# Altium PCB Netscale48HD_Sensorbar_Master.PcbDoc (part 3 of 5)
Units mil, origin at the board's own origin, x right, y up, seen from the top; angles counter-clockwise.
Board outline 18271.78 x 661.42 mil, 6 copper layers (Top Layer, PWR_Layer, Top_Signal_Layer, Bottom_Signal_Layer, GND_Layer, Bottom Layer), stack 30.644 mil thick; 300 components, 206 nets, 1127 pads, 560 vias.
Unrouted connection lines stored in the file: 11.
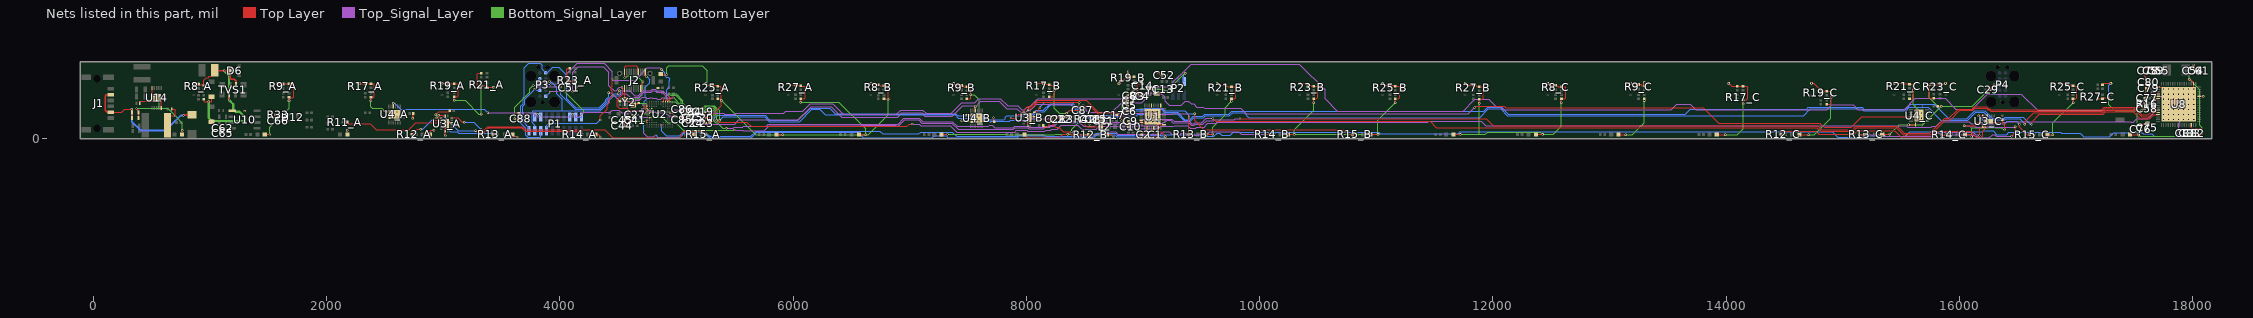
[diagram p7: the nets of this part, all layers, seen from the top]

## Via types
v1: diameter 19.68, hole 11.81, Top Layer to Bottom Layer, tented both sides, 265 vias
v2: diameter 21.65, hole 11.81, Top Layer to Bottom Layer, tented both sides, 108 vias
v3: diameter 9.84, hole 3.94, Top Layer to Bottom Layer, tented both sides, 103 vias
v4: diameter 19.68, hole 7.87, Top Layer to Bottom Layer, tented both sides, 51 vias
v5: diameter 23.62, hole 11.81, Top Layer to Bottom Layer, tented both sides, 24 vias
v6: diameter 21.65, hole 11.81, Top Layer to Bottom Layer, tented bottom, 9 vias

## Nets (pads, with @x,y where several pads share a name; then routed paths per layer and width w, separated by ;. In a path a pad name is that pad's centre, name@x,y a point inside that pad or via, vN(x,y) a via of type N, cw(c..) or ccw(c..) an arc to the next point about the centre after c; other vN are vias at no path point) (continued)
GND: C1.1 C2.1 C3.1 C4.1 C5.1 C6.1 C7.1 C8.1 C9.1 C10.1 C13.1 C14.1 C17.1 C18.1 C19.1 C20.1 C21.1 C22.1 C23.1 C24.1 C25.1 C26.1 C27.1 C28_A.1 C28_B.1 C28_C.1 C29.1 C30_A.1 C30_B.1 C30_C.1 C33_A.1 C33_B.1 C33_C.1 C34_A.1 C34_B.1 C34_C.1 C35_A.1 C35_B.1 C35_C.1 C36_A.1 C36_B.1 C36_C.1 C38_A.1 C38_B.1 C38_C.1 C40_A.1 C40_B.1 C40_C.1 C41.1 C42_A.1 C42_B.1 C42_C.1 C43_A.1 C43_B.1 C43_C.1 C44.1 C45.1 C47.2 C48.2 C49_A.1 C49_B.1 C49_C.1 C50_A.1 C50_B.1 C50_C.1 C51.1 C52.1 C54.1 C55.1 C56_A.1 C56_B.1 C56_C.1 C57_A.1 C57_B.1 C57_C.1 C58.1 C59.1 C61.1 C62.2 C63_A.1 C63_B.1 C63_C.1 C64_A.1 C64_B.1 C64_C.1 C65.1 C66.2 C70_A.1 C70_B.1 C70_C.1 C71_A.1 C71_B.1 C71_C.1 C72.1 C73.2 C75.1 C76.1 C77.1 C78.1 C79.1 C80.1 C81.1 C82.1 C83.1 C84.1 C85.1 C86.1 C87.1 C88.1 D4.1 D5.1 D6.3 D7.2 J2.1 J2.2 J2.14 J2.15 L7.2 L8.2 LED1_A.1 LED1_B.1 LED1_C.1 LED2_A.1 LED2_B.1 LED2_C.1 LED3_A.1 LED3_B.1 LED3_C.1 LED4_A.1 LED4_B.1 LED4_C.1 LED5_A.1 LED5_B.1 LED5_C.1 LED6_A.1 LED6_B.1 LED6_C.1 LED7_A.1 LED7_B.1 LED7_C.1 LED8_A.1 LED8_B.1 LED8_C.1 LED9.1 P1.3 P1.5 P1.15 P1.17 P1.19 P2.5 P3.3 P4.3 R3.2 R5.2 R8_A.1 R8_B.1 R8_C.1 R9_A.1 R9_B.1 R9_C.1 R17_A.1 R17_B.1 R17_C.1 R19_A.1 R19_B.1 R19_C.1 R21_A.1 R21_B.1 R21_C.1 R23_A.1 R23_B.1 R23_C.1 R25_A.1 R25_B.1 R25_C.1 R27_A.1 R27_B.1 R27_C.1 R33.1 R36.2 TVS1.2 TVS1.6 U1.6 U1.7 U1.10 U1.15 U1.17 U1.25 U1.29 U2.D3 U2.E3 U2.F2 U2.F11 U2.F12 U2.J1 U2.K1 U3_A.8 U3_A.13 U3_A.17 U3_B.8 U3_B.13 U3_B.17 U3_C.8 U3_C.13 U3_C.17 U4_A.8 U4_A.17 U4_B.8 U4_B.17 U4_C.8 U4_C.17 U5_A.2 U5_B.2 U5_C.2 U6_A.2 U6_B.2 U6_C.2 U7_A.2 U7_B.2 U7_C.2 U8.2 U8.17 U8.46 U8.60 U8.65 U9_A.2 U9_B.2 U9_C.2 U10.5 U11_A.2 U11_B.2 U11_C.2 U12.3 U13_A.2 U13_B.2 U13_C.2 U14.5 U14.10 U14.11 U15_A.2 U15_B.2 U15_C.2 U17_A.2 U17_B.2 U17_C.2 Y1.2 Y1.4 Y2.2 Y2.4 | length 35165.2
  Top Layer w5.98: U5_A.2@866.89,473.06 R8_A.1@899.08,473.06 ; R8_A.1@908.36,463.78 C34_A.1@941.86,463.78
  Top Layer w6: C33_A.1@947.17,340.19 947.17,325.66 953.34,319.49 v1(990.53,319.49) 1010.37,319.49 1015.14,324.26 D4.1@1015.14,361.81 ; C34_A.1@948.35,457.28 948.35,503.31 968.54,523.49 985.09,523.49 996.71,535.12 1011.67,535.12 1043.17,566.61 C73.2@1043.17,588.27 ; LED2_A.1@1471.89,38 v1(1515,38) ; R33.1@1557.44,204.8 1566.85,214.22 R33.1@1566.85,214.42 ; C66.2@1564.74,155.49 C66.2@1566.25,157 ; U6_A.2@1578.38,480.24 1588.31,470.3 R9_A.1@1628.74,470.3 1634.71,464.32 1634.71,467.41 1637.59,470.3 C38_A.1@1677.36,470.3 ; v2(1678.74,326.72) 1678.74,353.96 1712.57,353.96 1720.64,362.03 1720.64,463.05 1712.02,471.67 C38_A.1@1678.74,471.67 ; LED3_A.1@2178.76,37.61 v1(2178.76,72.55) ; U7_A.2@2281.19,476.26 2284.95,472.5 R17_A.1@2331.35,472.5 ; R17_A.1@2335.29,472.34 2336.47,473.52 C35_A.1@2381.35,473.52 2405.82,473.52 2410.86,468.49 2410.86,360.77 2405.98,355.89 C36_A.1@2381.35,355.89 v2(2381.35,326.72) ; LED4_A.1@2887.66,37.61 2887.66,63.08 2899.58,75 v2(2921.61,75) ; v2(2935.61,207) 2960.94,232.33 3050,232.33 C30_A.1@3057.63,239.96 ; U9_A.2@2990.79,475.65 R19_A.1@3038.03,475.65 ; v1(3018.98,28) 3019.3,28.33 U3_A.8@3019.3,64.63 ; U3_A.8@3019.63,64.96 3019.63,120.08 U3_A.17@3029.47,129.92 3039.32,139.76 U3_A.13@3074.75,139.76 ; R19_A.1@3038.64,476.26 R19_A.1@3039.37,475.53 ; R19_A.1@3039.37,475.23 3065.63,475.23 3070.63,470.23 C43_A.1@3094.37,470.23 ; v2(3094.37,330.63) C42_A.1@3094.37,361.37 ; C42_A.1@3094.98,360.77 3119.94,360.77 3129.76,370.59 3129.76,462.52 3119.94,472.34 C43_A.1@3096.49,472.34 ; C49_A.1@3325.95,563.81 3299.61,563.81 3292.63,556.83 3292.63,465.59 3303.26,454.96 C50_A.1@3325.95,454.96 ; v1(3327.22,426.38) 3327.22,453.68 C50_A.1@3325.95,454.96 ; R21_A.1@3375.95,442.2 3368.07,442.2 3355.32,454.96 C50_A.1@3325.95,454.96 ; R21_A.1@3376.17,441.98 3424.58,441.98 3424.81,442.2 U11_A.2@3425.03,441.98 ; v1(4048.68,455.03) 4080.92,455.03 C51.1@4081.94,456.06 C57_A.1@4081.94,495.15 ; C56_A.1@4084.94,604.01 4068.89,604.01 4061.23,596.34 4061.23,503.11 4069.18,495.15 C57_A.1@4081.94,495.15 ; R23_A.1@4125.94,482.71 4110.15,482.71 4097.71,495.15 C57_A.1@4081.94,495.15 ; R23_A.1@4128.94,482.71 4128.94,458.69 4136.28,451.36 U13_A.2@4136.28,443.76 ; LED6_A.1@4305.07,37.4 4331.79,37.4 4347,22.19 v1(4347,16) ; C48.2@4513.64,322.84 v2@4531.89,341.08 ; v2@4532.79,341.08 Y2.4@4560.88,341.08 4555.12,346.85 J2.1@4555.12,431.1 ; v1@4555.86,526.74 4555.86,572.09 J2.2@4555.12,572.83 4555.12,614.5 4566.73,626.11 4655.86,626.11 4670.32,611.66 4670.32,575.74 J2.14@4673.23,572.83 ; Y2.4@4564.82,341.08 4587.41,318.49 4594.5,318.49 4600.5,312.49 ; 4601.29,312.49 4618.61,295.17 4633.08,295.17 4638.36,300.44 4669.01,300.44 4672.63,304.06 C47.2@4679.87,304.06 ; J2.15@4692.91,431.1 4692.91,461.41 4713.55,482.05 v1(4713.55,488.88) ; v3@4758.68,229.48 4768.23,219.92 U2.F2@4768.23,219.69 ; v3(4786.33,248.03) 4787.92,248.03 U2.D3@4787.92,259.06 ; LED9.1@4866,555.12 4869.94,551.18 v1(4916.65,551.18) ; C86.1@5048.55,233.86 C85.1@5048.55,184.25 5048.55,182.28 5090.04,140.79 v1@5090.04,134.62 ; LED7_A.1@5146.63,37.4 5164.82,19.2 v1(5164.82,19.14) ; v1@5285.05,159.49 5285.05,181.77 5385.54,282.26 v2(5385.54,329.92) 5385.54,444.21 5377.15,452.6 C63_A.1@5353.8,452.6 5347.97,458.43 R25_A.1@5308.8,458.43 ; C64_A.1@5353.8,341.82 5355.62,343.63 5383.72,343.63 ; LED8_A.1@5864.82,37.22 5867.39,34.65 v2(5910.74,34.65) ; R27_A.1@6025.46,462.84 6033.33,454.98 6062.77,454.98 6066.51,458.72 C71_A.1@6066.51,453.72 6071.25,448.98 6099.36,448.98 6102.88,445.47 6102.88,353.13 6094.6,344.86 C70_A.1@6066.51,344.86 v2(6066.51,315.09) ; U5_B.2@6678.01,475.48 6698.15,475.48 6710.48,463.16 R8_B.1@6730.16,463.16 6738.04,463.16 6745.48,455.72 C33_B.1@6780.16,455.72 6808.32,455.72 6814.06,449.98 v2(6814.06,340.3) C34_B.1@6781.72,340.3 ; LED2_B.1@7282.33,37.4 7284.3,39.37 v1(7324.32,39.37) ; U6_B.2@7376.11,474.52 7392.35,458.28 R9_B.1@7444.74,458.28 7452.62,458.28 7463.13,447.77 C38_B.1@7489.74,447.77 7493.36,451.39 7510.53,451.39 7523.48,438.44 v2(7523.48,376.61) 7523.48,348.63 7516.84,341.98 C40_B.1@7489.74,341.98 C40_B.1@7497.37,349.61 ; U4_B.8@7494.94,206.18 7543.17,206.18 U4_B.17@7551.04,198.31 U4_B.17@7572.69,176.65 ; U3_B.8@8013.88,115.08 8013.88,170.2 U3_B.17@8023.72,180.04 8033.56,189.88 U3_B.13@8068.99,189.88 8070.51,191.4 v2@8090.29,191.4 ; U7_B.2@8084.82,474.48 8146.67,474.48 R17_B.1@8146.91,474.72 8167.72,474.72 8172.53,469.9 8189.28,469.9 C36_B.1@8196.91,462.27 8197.88,461.3 8218.53,461.3 8237.77,442.06 v2(8237.77,415) 8237.77,372.36 8226.9,361.49 C35_B.1@8196.91,361.49 ; C30_B.1@8145.86,114 8145.86,112.82 8153.49,105.19 8154.67,105.19 8157.5,102.36 8180.84,102.36 8195.05,116.57 8195.05,162.67 8205.37,172.99 8205.37,195.48 8213.56,203.66 8233.86,203.66 8253.27,184.25 8253.27,181.5 8339.49,181.5 R3.2@8345.4,187.4 8346.6,188.6 v1(8346.6,219.41) 8370.89,243.7 C87.1@8465.47,243.7 ; v1(8540.4,124.92) 8544.46,128.98 8544.46,145.15 8551.95,152.64 C18.1@8552.75,151.84 ; C18.1@8553.27,151.32 C18.1@8553.27,151.91 ; LED4_B.1@8699.33,37.4 8722.38,37.4 8743.64,16.14 v1(8747.35,16.14) ; C17.1@8772.96,203.66 8807.67,203.66 8815.85,195.48 v2(8815.85,154.33) 8815.85,151.61 8835.43,132.04 8854.85,132.04 C9.1@8871.63,148.82 ; 8805.56,474.21 8805.56,477.16 R19_B.1@8871.63,543.23 8884.07,530.79 C42_B.1@8921.63,530.79 ; v1(8840.26,342.13) 8842.88,339.51 8842.88,330.29 8846.39,326.77 C7.1@8867.73,326.77 ; C10.1@8871.63,105 8876.18,109.55 C9.1@8876.18,150 ; C6.1@8871.63,240 C8.1@8871.63,370.9 ; R19_B.1@8872.05,543.64 v1(8872.05,575.55) ; C43_B.1@8921.63,425 v1(8950.65,425) ; C3.1@8947.23,389.45 8950.65,392.87 v1(8950.65,425) ; C3.1@8953.56,386.93 8956.08,389.45 8958.6,386.93 C4.1@8998.56,386.93 ; U1.6@8985.1,159.45 U1.7@8985.1,139.76 U1.10@9033.32,139.76 ; 8986.63,25 8986.63,16.41 8991.23,11.81 9122.72,11.81 9126.24,15.33 C1.1@9126.24,34.89 ; C2.1@8986.87,35.43 9014.43,62.99 9026.53,62.99 9033.32,69.79 U1.10@9033.32,91.54 U1.10@9033.32,139.76 ; C14.1@8997.79,473.03 8971.03,473.03 8969.09,471.1 8956.48,471.1 8950.65,465.27 v1(8950.65,425) ; U1.10@9039.21,141.73 9035.29,141.73 U1.10@9033.32,139.76 ; U1.10@9039.21,145.65 9074.66,181.1 9082.52,181.1 U1.10@9082.52,188.96 ; U1.29@9072.69,286.42 9072.69,242.13 9074.66,244.09 U1.10@9082.52,244.09 ; v6(9082.54,188.98) 9151.43,257.87 U1.25@9151.43,286.42 ; Y1.4@9117.03,387.41 9157.9,387.41 C13.1@9174.03,403.54 ; U1.10@9121.89,137.8 9130.41,137.8 U1.10@9131.75,136.45 ; v2(9125.55,572.18) 9149,548.73 9159.8,548.73 C52.1@9169.15,539.37 ; U1.15@9131.75,91.54 U1.10@9131.75,136.45 ; C13.1@9172.6,404.13 9173.44,404.13 C13.1@9174.03,403.54 ; U1.17@9179.98,120.08 9148.12,120.08 U1.10@9131.75,136.45 ; v1(9198.92,403.54) C13.1@9174.03,403.54 ; U11_B.2@9636.27,474.6 9651.58,459.29 R21_B.1@9708.55,459.29 9712.49,459.29 9727.18,444.6 C49_B.1@9758.55,444.6 9760.25,446.29 9779.37,446.29 9779.58,446.08 9784.36,446.08 9794.85,435.59 9794.85,351 9786.52,342.67 C50_B.1@9758.55,342.67 9758.37,342.49 v2(9758.37,320.87) ; LED6_B.1@10257.75,37.4 v2(10295.89,37.4) ; U13_B.2@10344.63,475.4 10409.48,475.4 10423.33,461.55 10433.28,461.55 10444.11,450.73 C56_B.1@10463.37,450.73 10465.3,448.8 10490.09,448.8 10498.79,440.1 10498.79,353.64 10486.76,341.61 10464.77,341.61 C57_B.1@10463.37,343.01 10466.17,340.21 10463.37,337.42 v2(10463.37,309.12) ; LED7_B.1@10966.21,37.4 v2(11014.36,37.4) ; U15_B.2@11053.27,474.62 11068.57,459.31 R25_B.1@11118.24,459.31 11141.1,459.31 11148.54,451.87 11158.24,451.87 C64_B.1@11163.24,448.8 11165.17,450.73 11194.54,450.73 11199.4,445.87 11199.4,352.64 11189.77,343.01 C63_B.1@11163.24,343.01 v2(11163.24,309.12) ; LED8_B.1@11675.44,37.4 v2(11720.6,37.4) ; U17_B.2@11761.73,475.63 11778.73,458.62 R27_B.1@11831.53,458.62 11851.45,458.62 11864.21,445.87 C71_B.1@11881.53,445.87 11883.14,447.47 11907.27,447.47 11917.11,437.63 11917.11,349.64 11907.55,340.08 C70_B.1@11881.53,340.08 v2(11881.53,305) ; LED1_C.1@12383.7,37.4 v2(12424.84,37.4) ; U5_C.2@12470.78,475.41 12486.26,459.94 R8_C.1@12536.71,459.94 12544.58,459.94 12557.65,446.87 C34_C.1@12586.71,446.87 12617.83,446.87 12624.44,440.25 12624.44,352.64 12614.81,343.01 C33_C.1@12586.71,343.01 v2(12586.71,309.27) ; LED2_C.1@13092.58,37.4 13094.98,35 v2(13139.85,35) ; U6_C.2@13179.26,475.41 13217.62,475.41 13226.8,466.24 R9_C.1@13243.9,466.24 ; R9_C.1@13243.9,469.95 R9_C.1@13247.61,466.24 13266.27,466.24 13276.79,455.73 C38_C.1@13297.61,455.73 v2(13297.61,484.35) ; v2(13297.61,328.21) C40_C.1@13297.61,343.01 ; LED3_C.1@13918.4,37.4 13920.8,35 v2(13989.86,35) ; U7_C.2@14021.89,475.41 14045.44,451.87 C36_C.1@14094.35,451.87 C35_C.1@14144.35,451.87 14177.42,451.87 14185.88,443.4 14185.88,345.95 14175.19,335.25 R17_C.1@14144.35,335.25 v2(14144.35,299.08) ; LED4_C.1@14628.42,37.4 14630.82,35 v2(14706.29,35) ; U9_C.2@14730.44,475.41 14751.64,475.41 R19_C.1@14810.97,416.09 14832.7,416.09 14840.14,408.65 C43_C.1@14860.97,408.65 14888.23,408.65 14900.13,396.75 v2(14900.13,357.35) 14900.13,305.42 14892.57,297.86 C42_C.1@14860.97,297.86 ; LED5_C.1@15337.02,37.4 15340.56,40.95 v2(15401.67,40.95) ; U11_C.2@15439.04,475.41 15517.67,475.41 R21_C.1@15521.17,471.92 15521.6,472.35 15549.91,472.35 15556.17,466.09 C49_C.1@15571.17,466.09 15595.03,466.09 15604.39,456.73 15604.39,415.49 v2(15604.92,414.96) 15604.92,350.45 15597.85,343.37 C50_C.1@15571.17,343.37 ; v2(15562.6,121.34) 15622.49,121.34 U4_C.8@15622.93,121.78 ; C57_C.1@15789.9,346.72 C57_C.1@15779.67,346.72 15746.91,346.72 15739.27,354.35 v2(15739.27,465.03) 15784.83,465.03 15787.01,467.21 15789.9,464.31 R23_C.1@15832.98,464.31 ; C28_C.1@15814.27,279.53 v1(15843.21,279.53) ; R23_C.1@15832.98,464.43 R23_C.1@15832.98,464.31 ; U13_C.2@15879.29,470.88 U13_C.2@15885.68,470.88 ; U13_C.2@15879.29,475.08 15875.92,471.71 15840.37,471.71 R23_C.1@15832.98,464.31 ; LED6_C.1@16045.61,37.4 16093.34,37.4 16102.45,28.29 v2(16102.45,17.32) v2@16102.45,15.03 ; U3_C.13@16238.05,195.5 16238.05,160.07 U3_C.17@16247.89,150.23 16247.89,140.39 U3_C.8@16312.85,140.39 16371.56,140.39 ; C29.1@16264.98,419.69 16265.6,419.69 16265.6,435.39 v1(16295,464.79) ; C30_C.1@16366,162.04 16371.56,156.48 16371.56,140.39 ; v1(16387.1,79.33) 16387.1,124.85 16371.56,140.39 ; LED7_C.1@16753.76,37.4 16757.16,34 v2(16800,34) ; U15_C.2@16856.17,475.41 16858.32,473.26 16919.57,473.26 R25_C.1@16928.16,464.67 16954.06,464.67 16964.57,454.16 C63_C.1@16973.16,454.16 16976.27,451.05 17002.13,451.05 17006.11,447.06 17006.11,354 16995.48,343.37 C64_C.1@16973.16,343.37 v2(16973.16,310.69) ; R27_C.1@17185.29,342.76 17186.72,344.19 17218.67,344.19 17226.3,351.82 C70_C.1@17226.3,345.52 17230.88,350.1 v2(17280.23,350.1) ; C71_C.1@17230.12,466.42 17231.3,466.42 17240.28,475.41 U17_C.2@17297.32,475.41 ; LED8_C.1@17462.25,37.4 17466.68,32.97 v2(17534.34,32.97) ; v1(17522.53,107.48) 17550.95,107.48 C76.1@17554.98,103.45 ; C76.1@17554.98,105.42 17578.61,129.04 C75.1@17611.08,129.04 ; v1(17556.95,240.65) 17559.57,243.27 17571.18,243.27 17585.88,257.97 C58.1@17587.85,257.97 ; C77.1@17587.85,346.7 17589.82,346.7 17596.66,353.54 17596.66,355.51 17601.34,360.19 C79.1@17601.34,434.75 C80.1@17601.34,483.96 v1(17601.34,519.08) 17601.34,522.64 17581.47,542.51 17581.47,596.58 17589.53,604.64 C78.1@17618.56,604.64 C59.1@17664.49,604.64 C55.1@17709.17,604.64 ; U8.17@17701.16,443.61 17730.39,443.61 17747.42,426.58 v4(17747.42,425.89) ; C81.1@17941.31,27.13 C83.1@17976.31,27.13 C82.1@18010.21,27.13 18070.86,27.13 18082.24,38.52 v1(18082.24,55.49) 18082.24,75.88 18066.49,91.64 17990.53,91.64 17986.34,95.82 17986.34,119.05 U8.46@17985.6,119.79 ; v1(17967.8,510.63) 17970.04,508.39 17980.86,508.39 18005.29,483.96 U8.2@18005.29,472.15 18005.57,471.86 18005.57,427.57 v4(18007.26,425.89) ; v1(18007.26,633.67) 18006.27,632.68 18006.27,605.62 C54.1@18005.29,604.64 C61.1@18049.58,604.64
  Top Layer w8: v1(371.04,260.25) 386.48,244.81 386.48,226.75 L7.2@388.73,224.51 L8.2@388.73,178.07 ; D7.2@399.98,304.33 D7.2@398.6,305.71 398.6,311.61 411.24,324.26 516.97,324.26 U14.11@544.02,351.32 ; U14.5@504.65,436.79 504.65,386.75 540.09,351.32 U14.11@544.02,351.32 ; U14.10@583.39,265.84 583.39,315.88 547.96,351.32 U14.11@544.02,351.32 ; C72.1@636.64,115.1 636.64,168.29 664.14,195.79 v1(702.11,195.79) 702.11,247.12 697.42,251.81 677.7,251.81 R36.2@674,255.51 ; LED1_A.1@761.56,37.4 765.1,40.95 762.74,43.31 v1(762.74,74.62) ; U5_A.2@864.11,475.85 U5_A.2@866.89,473.06 ; R8_A.1@899.08,473.06 R8_A.1@901.86,470.28 R8_A.1@908.36,463.78 ; C34_A.1@941.86,463.78 C34_A.1@948.35,457.28 ; LED5_A.1@3596.12,37.4 3609.84,23.69 3627.5,23.69 3635.14,16.05 v1(3638.3,16.05) ; v1@3614.31,172.02 3643.88,172.02 C88.1@3644.71,172.85 ; C88.1@3645.56,171.99 C88.1@3644.71,172.85 ; C26.1@3650.29,216.78 3643.86,210.34 3643.86,173.7 C88.1@3644.71,172.85 ; C45.1@4556.63,158.96 C44.1@4556.63,111.23 4558.39,112.99 v1(4591.06,112.99) 4591.06,150.59 4599.56,159.09 4625.72,159.09 C41.1@4625.84,159.22 4625.84,203.61 C27.1@4626.78,204.55 ; v3@4737.21,150.24 4738.44,150.24 U2.K1@4747.44,141.23 ; U2.K1@4746.61,145.98 4746.61,157.87 U2.J1@4748.55,159.81 ; v3(4786.33,248.03) 4786.33,247.53 4787.34,246.53 4787.34,239.95 U2.E3@4787.92,239.37 ; U2.F11@4945.4,219.69 U2.F12@4965.08,219.69 v3@4982.83,201.94 ; v1@5087.63,136.82 v1@5089.83,134.62 ; v1@5090.04,134.62 C24.1@5119.78,134.62 ; C84.1@5093.43,233.86 5093.43,231.89 5120.2,205.12 C25.1@5120.2,182.28 C24.1@5120.2,135.04 ; C19.1@5250.12,230.32 C20.1@5250.12,182.28 C23.1@5250.12,135.04 5276.63,135.04 5281.31,139.73 v1(5281.31,156.3) ; U15_A.2@5250.37,474.26 5252.39,474.26 5268.21,458.43 R25_A.1@5308.8,458.43 ; U17_A.2@5958.79,475.53 5971.48,462.84 R27_A.1@6025.46,462.84 ; LED1_B.1@6572.38,37.4 6574.35,35.43 v2(6623.34,35.43) ; v1(7718.64,182.04) 7718.64,160.61 7728.86,150.39 C28_B.1@7724.92,146.46 ; LED3_B.1@7990.41,37.05 7990.41,26.98 8007.23,10.16 8279.95,10.16 8309.82,40.03 v1(8355.09,40.03) ; LED5_B.1@9549.07,38 9552.02,40.95 v2(9598.92,40.95)
  Top Layer w10: C65.1@1090.33,47.98 1092.43,45.87 C65.1@1092.85,45.87 C62.2@1092.85,90.32 C62.2@1092.37,90.8 ; U8.60@18053.52,364.86 v1@18088.99,364.89
  Top Layer w11.81: U10.5@1188.35,240.16 U10.5@1190.53,237.98 ; v2(2741.06,177.63) 2741.06,212.12 C28_A.1@2745.72,216.78
  Top Layer w12: C73.2@1043.17,588.27 1045.53,588.27 1048.17,585.63 v1@1113.92,585.63 ; v1@1114.35,585.2 v1(1122.38,585.2) 1173.32,585.2 D6.3@1173.75,584.77 1173.75,519.29 1182.31,510.74 1208.31,510.74 1224.93,494.12 TVS1.2@1224.93,465.2 ; v1(1164.93,333.24) 1165.9,334.21 1165.9,377.62 TVS1.6@1166.86,378.58 ; Y2.4@4560.88,341.08 Y2.4@4564.82,341.08
  Top_Signal_Layer w6: v1@3021.17,25.8 v1@3025.54,25.8
  Bottom_Signal_Layer w6: v1(1515,38) 1515,99.6 1678.74,263.34 v2(1678.74,326.72) ; v2@2381.35,326.53 2381.35,276.16 2394.18,263.34 2474.57,263.34 2507.59,230.32 U4_A.17@2560.88,230.32 ; v2(3094.37,330.63) 3188.92,330.63 3306.95,212.6 v2(3327.28,212.6) v1@3327.28,426.32 ; v1(3614.29,172.05) 3614.29,270.11 3742.48,398.3 3742.48,428.83 v1(3771.35,457.71) ; v1(4048.68,455.03) 4048.68,397.89 4204.61,241.96 4204.61,219.24 ; v2(4532.79,342.52) 4611.5,342.52 4649.74,304.28 4714.89,304.28 ; v1(4556.61,526) 4569.32,526 4584.51,541.19 4658.06,541.19 4706.71,492.54 4706.71,379.23 ; 4715.38,304.77 4736.15,304.77 4744.35,296.57 4744.35,263.41 4758.68,249.09 v3(4758.68,229.72) ; v3@4759.72,229.72 4768.81,238.81 4776.07,238.81 v3@4785.29,248.03 ; v1(4916.65,551.18) 4916.65,608.54 4934.76,626.65 5220.43,626.65 5262.97,584.11 5262.97,474.26 ; v3@4983.18,196.43 4985.1,194.51 4985.1,193.2 4993.2,185.1 5004.66,185.1 5006.19,186.64 5017.66,186.64 5022.77,181.52 5050.12,181.52 5078.61,153.03 5078.61,149.22 5090.25,137.58 v1(5090.25,134.2) ; v2(5385.54,329.92) 5680.82,34.65 v2(5910.74,34.65) ; v2@5911.31,35.22 v2@6623.12,35.22 ; v2(6066.51,315.09) 6392.64,315.09 6623.34,84.39 v2(6623.34,35.43) 6644.96,35.43 6814.06,204.53 v2(6814.06,340.3) ; v1(7324.32,39.37) 7832.99,39.37 7839.38,32.98 8238.98,32.98 8246.02,40.03 v1(8355.09,40.03) 8723.46,40.03 v1(8747.35,16.14) ; v1(7445.57,155) U4_B.17@7551.04,155 ; v2@7521.03,374.15 v2(7523.48,376.61) 7551.04,376.61 7594.35,333.3 U4_B.17@7594.35,198.31 ; v2(8237.77,415) 8237.77,261.62 8279.98,219.41 v1(8346.6,219.41) ; v2(8815.85,154.33) 8815.85,317.72 v1(8840.26,342.13) 8923.14,425 v1(8950.65,425) 9177.46,425 v1(9198.92,403.54) 9201.08,403.54 v2@9358.32,560.78 ; v2(9598.92,40.95) 9598.92,101.18 9703.65,205.91 9703.65,266.14 v2(9758.37,320.87) ; v2(10463.37,309.12) 10463.37,243.64 10295.89,76.17 v2(10295.89,37.4) v2(11014.36,37.4) 11014.36,160.25 v2(11163.24,309.12) ; v2(11720.6,37.4) 11881.53,37.4 ; v2(11881.53,305) 11881.53,37.4 ; v2(12586.71,309.27) 12586.71,108.15 12515.96,37.4 v2(12424.84,37.4) 12406.09,56.15 11953.14,56.15 11934.4,37.4 11881.53,37.4 ; v2(13139.85,35) 13193.4,35 13297.61,139.22 v2(13297.61,328.21) ; v2(13989.86,35) 14092.25,35 14144.35,87.1 v2(14144.35,299.08) ; v2(14706.29,35) 14754.25,35 14897.13,177.88 14897.13,354.35 v2(14900.13,357.35) ; v2(15401.67,40.95) 15482.06,121.34 v2(15562.6,121.34) 15685.03,121.34 v1(15843.21,279.53) ; v2(15604.92,414.96) 15604.92,290.38 U4_C.17@15674.11,221.19 ; v2(15739.27,465.03) 15739.27,354.35 15814.1,279.53 v1(15843.21,279.53) ; v2(16102.45,17.32) 16102.45,97.16 16358.98,97.16 16376.81,79.33 v1(16387.1,79.33) ; v1(16295,464.79) 16109.74,279.53 v1(15843.21,279.53) ; v2(16800,34) 16800,137.53 v2(16973.16,310.69) ; v2(17280.23,350.1) 17280.23,291.02 17330.6,240.65 17522.53,240.65 ; v1(17601.34,519.08) 17601.34,285.04 v1(17556.95,240.65) 17522.53,240.65 ; v1(18007.26,633.67) 17967.8,594.21 v1(17967.8,510.63) 18057.45,420.98 18057.45,115.75 18082.24,90.96 v1(18082.24,55.49) 18048.16,21.41 17548.02,21.41 17522.53,46.9 v1(17522.53,107.48) 17522.53,240.65
  Bottom_Signal_Layer w8: v1(371.04,260.25) 565.68,260.25 ; v4(565.68,351.32) 565.68,260.25 ; v1(762.74,74.62) 762.74,135.16 v1(702.11,195.79) 637.64,260.25 565.68,260.25 ; v1(4591.06,112.99) 4628.65,150.59 v3(4736.85,150.59) ; 4611.5,342.52 4670,342.52 4706.71,379.23
  Bottom_Signal_Layer w20: v1(990.53,319.49) 990.53,181.05 1018.79,152.79 v1(1298.93,152.79) 1298.93,187.7 1254.31,232.32 1221.13,232.32 1201.64,251.81 1201.64,296.53 v1(1164.93,333.24) 1164.93,542.64 v1(1122.38,585.2)
  Bottom Layer w6: v1(3771.35,457.71) 3798.25,457.71 3806.43,465.88 P3.3@3829.8,465.88 ; P1.15@4085.98,186.98 4085.98,198.31 4097.48,209.81 v1(4111.04,209.81) 4124.48,209.81 4135.98,198.31 P1.17@4135.98,186.98 P1.19@4185.98,186.98 4185.98,207.74 P1.19@4197.48,219.24 ; P2.5@9353.82,492.06 9350.45,495.43 9350.45,550.74 v2(9360.48,560.78) ; v1@16295.09,464.87 P4.3@16343.79,464.96 ; v2(17280.23,350.1) 17280.23,458.78 U17_C.2@17297.09,475.64
  Bottom Layer w8: P1.3@3785.98,186.98 3785.98,200.77 3796.48,211.27 v1(3810.98,211.27) 3828.22,211.27 P1.5@3835.98,203.51
  other v1: 1298.93,237.8 18089.02,364.92
  other v2: 8097.35,192.52
  other v3: 4983.18,197.47
  other v4: 17747.42,166.05 17790.72,166.05 17834.03,166.05 17877.34,166.05 17920.64,166.05 17963.95,166.05 18007.26,166.05 17747.42,209.35 17790.72,209.35 17834.03,209.35 17877.34,209.35 17920.64,209.35 17963.95,209.35 18007.26,209.35 17747.42,252.66 17790.72,252.66 17834.03,252.66 17877.34,252.66 17920.64,252.66 17963.95,252.66 18007.26,252.66 17747.42,295.97 17790.72,295.97 17834.03,295.97 17877.34,295.97 17920.64,295.97 17963.95,295.97 18007.26,295.97 17747.42,339.27 17790.72,339.27 17834.03,339.27 17877.34,339.27 17920.64,339.27 17963.95,339.27 18007.26,339.27 522.37,351.32 17747.42,382.58 17790.72,382.58 17834.03,382.58 17877.34,382.58 17920.64,382.58 17963.95,382.58 18007.26,382.58 17790.72,425.89 17834.03,425.89 17877.34,425.89 17920.64,425.89 17963.95,425.89
  other v6: 9039.23,145.2 9082.54,145.2 9123,145.2 9039.23,188.98 9123,188.51 9039.23,232.28 9082.54,232.28 9123,232.28
GNDBus: D1.2 J1.2 J1.5 L7.1 L8.1 | length 1225.5
  Top Layer w8: J1.2@156.66,227.48 244.74,227.48 270.39,253.12 v1(331.03,253.12)
  Top Layer w11.81: J1.2@156.66,227.48 118.98,227.48 102,244.46 102,366.6 112.87,377.48 156.66,377.48 J1.5@169.66,377.48 ; v1(331.03,253.12) 333.61,250.54 L7.1@333.61,224.51 334.19,186.82 L8.1@334.19,180.01 ; D1.2@846.4,206.51 D1.2@848.54,206.51
  Top Layer w16: v1(773.87,200.15) 774.87,200.15 781.24,206.51 D1.2@846.4,206.51
  Bottom Layer w16: v1(331.03,253.12) 331.03,147.6 406.9,71.72 622.63,71.72 709.83,158.92 709.98,158.92 751.2,200.15 v1(773.87,200.15)
GPIO: U2.C1 U8.20 | length 14110.4
  Top Layer w6: v3(4730.43,290.94) 4731.16,290.21 4737.08,290.21 U2.C1@4748.55,278.74 ; v1(17654.88,403.64) 17657.5,401.02 17672.88,401.02 17689.34,384.55 U8.20@17701.16,384.55
  Top_Signal_Layer w6: v3(4976.14,249.05) 5019.68,249.05 5022.59,246.14 5034.31,246.14 5038.49,250.32 5137.16,250.32 5176.7,210.78 5301.58,210.78 5308.65,217.85 5404.11,217.85 5410.88,211.08 5501.4,211.08 5511.42,221.1 5919,221.1 5935.12,237.23 6084.96,237.23 6147.33,299.59 6339.02,299.59 6428.06,210.54 6885.45,210.54 6921.17,246.26 7112.28,246.26 7139.63,218.91 7355.68,218.91 7445.86,309.09 7556.28,309.09 7592.69,345.5 7776.63,345.5 7839.56,282.57 7928.1,282.57 7959.57,251.09 7982.79,251.09 8001.71,270.01 8023.3,270.01 8095.8,342.51 8813.22,342.51 8831.58,360.87 9004.49,360.87 9088.49,444.87 9216.67,444.87 9412.01,640.21 10340.97,640.21 10560.13,421.04 10560.13,343.84 10665.69,238.28 11743.7,238.28 11843.16,337.74 11965.43,337.74 12022.32,280.84 12051.06,280.84 12081.71,250.19 13527.18,250.19 13573.64,296.65 13691.6,296.65 13738.76,249.49 14859.87,249.49 14903.38,293 15086.9,293 15129.13,250.77 15524.13,250.77 15619.26,345.9 15878.78,345.9 15969.33,255.35 16108.62,255.35 16237.57,384.31 16530.69,384.31 16668.24,246.75 17493.25,246.75 v1@17650.14,403.64
  Bottom_Signal_Layer w6: v3(4730.43,290.94) 4730.43,273.19 4717.29,260.06 4717.29,255.89 4710.74,249.34 4710.74,224.55 4719.4,215.89 4764.4,215.89 4775.41,226.9 4824.92,226.9 4832.57,219.24 4845.09,219.24 4862.29,236.44 4894.6,236.44 4897.33,233.72 4960.81,233.72 v3(4976.14,249.05)
HF: C11.1 C15.2 L2.2 R42.2 U4_A.5 U4_B.5 U4_C.5 | length 14344.5
  Top Layer w6: v2(2571.71,303.91) 2572.2,303.41 2572.2,277.07 U4_A.5@2572.7,276.58 ; v2(7561.52,273.62) 7562.19,272.96 7562.19,245.23 U4_B.5@7562.85,244.57 ; v1(8486.13,284.47) 8543.33,284.47 8645,182.8 8645,159.84 C11.1@8638.31,153.15 ; R42.2@8504.85,148.03 8504.85,118.08 8519.77,103.15 L2.2@8639.88,103.15 8639.88,151.87 8638.56,153.19 8638.52,153.15 C11.1@8638.31,153.15 ; C15.2@8598.56,151.26 8636.42,151.26 C11.1@8638.31,153.15 ; v1(11843.34,268.94) 11845.65,268.94 11857.82,281.11 12098.47,281.11 12111.23,268.35 13804.03,268.35 13936.75,135.64 14803.21,135.64 14838.16,100.7 15072.13,100.7 15161.12,189.69 U4_C.5@15584.55,189.69
  Top_Signal_Layer w6: v1(3383.93,223) 3769.61,223 3801.55,191.06 4167.2,191.06 4206.03,229.88 4431.83,229.88 4447.86,245.91 4507.21,245.91 4529.35,223.77 4618.11,223.77 4633.75,239.42 4688.87,239.42 4703.53,224.76 4734,224.76 4752.79,243.54 4764.4,243.54 4773.74,234.2 4817.61,234.2 4829.16,222.65 4863.83,222.65 4865.72,224.54 4904.44,224.54 4917.17,211.81 4919.97,211.81 4937.25,194.54 4956.59,194.54 4967.48,183.64 5003.19,183.64 5006.19,186.64 5017.66,186.64 5022.19,182.11 5076.18,182.11 5084.87,190.8 5112.5,190.8 5155.55,147.75 5192.77,147.75 5216.36,124.16 5498.66,124.16 5536.08,161.58 6042.99,161.58 6157.19,275.78 6329.15,275.78 6418.2,186.73 6895.31,186.73 6931.03,222.45 7102.42,222.45 7129.77,195.1 7365.55,195.1 7455.73,285.28 7471.26,285.28 7471.48,285.06 7493.26,285.06 7493.48,285.28 7509.01,285.28 7509.23,285.06 7550.08,285.06 v2(7561.52,273.62) ; v2@7565.93,277.14 7610.48,321.69 7766.76,321.69 7830.26,258.2 7918.8,258.2 7949.71,227.28 7992.65,227.28 8011.57,246.2 8033.17,246.2 8084.34,297.37 8389.32,297.37 8402.22,284.47 v1(8486.13,284.47) 8509.4,261.2 8509.4,248.96 8530.43,227.93 8732.12,227.93 8815.66,311.47 8988.77,311.47 9074.2,396.9 9147.66,396.9 9189.41,355.16 9189.41,322.95 9222.96,289.39 9328.42,289.39 9362.4,323.38 9389.02,323.38 9412.26,300.13 9432.9,300.13 9461.1,271.94 9517.81,271.94 9527.65,262.09 9838.11,262.09 9886.43,213.77 11788.17,213.77 v1(11843.34,268.94)
  Bottom Layer w6: v2(2571.71,303.91) 2584.62,303.91 2635.48,253.05 3353.88,253.05 v1(3383.93,223)
INT_REQUEST: U2.L7 U8.21 | length 13963.5
  Top Layer w6: U2.L7@4866.66,121.26 4866.95,121.26 4866.95,120.9 4874.76,113.09 v3(4874.76,112.88) ; v1(17655.99,366.14) 17656.63,365.5 17700.52,365.5 U8.21@17701.16,364.86
  Top_Signal_Layer w6: v1(17655.99,366.14) 17658.3,363.83 17669.2,363.83 17669.29,363.92 17684.82,363.92 17684.91,363.83 17835.98,363.83 17852.78,347.04 17852.78,329.93 17867.99,314.72 17885.1,314.72 17901.21,298.61 17901.21,158.28 17877.34,134.41 17877.34,48.87 v1(17877.25,48.78)
  Bottom Layer w6: v3(4874.76,112.88) 4874.76,65.59 4914.6,25.75 5028.4,25.75 5077.22,74.56 5229.19,74.56 5275.67,28.08 5284.9,28.08 5291.81,21.17 5638.29,21.17 5683.77,66.64 6743.78,66.64 6768.82,41.6 7076.42,41.6 7092.94,58.12 7366.7,58.12 7403.74,21.08 7916.39,21.08 7931.99,36.68 7975.69,36.68 7975.89,36.48 7985.26,36.48 7985.46,36.68 8148.94,36.68 8164.54,21.08 8572.31,21.08 8598.02,46.8 8765.38,46.8 8779.79,32.38 9164.16,32.38 9168.5,36.71 9519.41,36.71 9534.91,21.21 9607.09,21.21 9634.94,49.06 9658.36,49.06 9676.15,31.27 9749.34,31.27 9775.2,57.13 11022.54,57.13 11034.23,45.44 11700.74,45.44 11716.04,60.75 14909.2,60.75 14954.7,15.25 15168.23,15.25 15177.57,24.59 15354.38,24.59 15357.76,21.21 15534.57,21.21 15574.13,60.77 16196.73,60.77 16203.38,67.43 16288.35,67.43 16318.72,37.06 16403.34,37.06 16421.01,54.73 16865.27,54.73 16871.13,48.87 17033.28,48.87 17063.92,18.22 17288,18.22 17322.48,52.7 17567.28,52.7 17575,44.98 17647.09,44.98 17671.01,21.06 17861.43,21.06 17877.25,36.88 v1(17877.25,48.78)
IRQ_A: U1.13 U2.E1 | length 5052.7
  Top Layer w6: v3(4731.12,254.33) 4731.85,253.6 4734.32,253.6 U2.E1@4748.55,239.37 ; U1.13@9092.38,91.54 9092.38,66.25 9099.72,58.91 9157.11,58.91 9189.41,26.6 v2(9189.41,16.98)
  Top_Signal_Layer w6: v3(4703.26,261.42) 4725.94,261.42 4731.12,256.23 v3(4731.12,254.33) ; v3(4721.77,67.65) 4721.77,48.09 4750.72,19.14 4806.93,19.14 v3(4820.76,32.97)
  Bottom Layer w6: v3(4703.26,261.42) 4704.89,259.79 4704.89,253.37 4700.76,249.24 4700.76,211.45 4687.37,198.06 4687.37,174.88 4699.28,162.97 4699.28,139.23 4721.77,116.74 v3(4721.77,67.65) ; v3(4820.76,32.97) 4838.98,14.75 5032.96,14.75 5076.96,58.75 5229.45,58.75 5271.11,17.08 5279.06,17.08 5286.88,9.26 5643.22,9.26 5688.7,54.73 6557.29,54.73 6602.87,9.16 7167.77,9.16 7167.84,9.22 7193.75,9.22 7209.12,24.59 7312.59,24.59 7328,9.17 7921.32,9.17 7936.92,24.77 7970.76,24.77 7970.96,24.58 7990.19,24.58 7990.39,24.77 8144.01,24.77 8159.61,9.17 8577.24,9.17 8602.96,34.89 8755.11,34.89 8773.02,16.98 v2(9189.41,16.98)
IRQ_B: J2.20 U2.D1 | length 376.3
  Top Layer w6: v3(4712.71,289.37) 4727.75,274.33 4733.28,274.33 U2.D1@4748.55,259.06 ; J2.20@4732.28,572.83 4732.28,542.72 v1(4743,532)
  Bottom Layer w6: v3(4712.71,289.37) 4712.71,290.41 4716.6,294.3 4716.6,296.67 4726.31,306.38 4726.31,321.33 4740.05,335.07 4740.05,346.54 4731.55,355.04 4731.55,440.68 4772.8,481.92 4772.8,508.14 v1@4750.23,530.71
JTAG_TGT_NRST: C51.2 P3.10 R16.1 U2.H2 | length 14854.9
  Top Layer w6: C51.2@4081.94,416.69 4081.94,415.28 4088.79,408.43 4109.09,408.43 v1(4110.5,407.03) ; v1(4533,441) 4533,437.3 4540.31,429.99 4540.31,382.57 4494.5,336.76 4494.5,277.41 4510.6,261.31 4576.57,261.31 4597.47,240.41 4680.22,240.41 4713.1,207.53 v3(4713.1,187.01) ; v3(4758.68,190.16) 4758.68,190.01 4768.23,180.46 U2.H2@4768.23,180.32 ; v1(9831.6,173.62) 11940.8,173.62 12002.59,111.83 14784.31,111.83 14819.26,76.89 15082.3,76.89 15111.95,106.54 15464.19,106.54 15523.65,47.08 15743.04,47.08 15873.15,177.19 15909.02,177.19 15986.97,255.14 16107.11,255.14 16125.32,273.35 16231.69,273.35 16245.74,259.31 16259.9,259.31 16271.8,247.4 17218.25,247.4 17239.67,268.82 17542.31,268.82 17575.75,302.27 R16.1@17587.85,302.27
  Top_Signal_Layer w6: v1(3917.04,400.79) 3923.28,407.03 v1(4110.5,407.03) 4110.5,571.72 4158.58,619.8 4372.78,619.8 4420.58,572 4420.58,456.9 4465.23,412.25 4482.58,412.25 4511.33,441 v1(4533,441) ; v3(4713.1,187.01) 4754.49,187.01 4757.64,190.16 v3(4758.68,190.16) ; v1(5496.96,75.59) 5568.11,75.59 5574.98,68.72 5751.6,68.72 5796.83,113.95 6589.77,113.95 6590.51,114.69 6878,114.69 6878.74,113.95 6906.72,113.95 6955.68,162.92 7077.76,162.92 7105.11,135.57 7361.04,135.57 7415.76,80.86 7888.4,80.86 7903.74,96.21 8012.13,96.21 8020.76,87.58 8148.87,87.58 8158.86,97.56 8200.02,97.56 8208.65,106.2 8237.05,106.2 8270.32,139.46 8459.21,139.46 8492.5,106.17 8580.46,106.17 8604.42,130.13 8794.56,130.13 8812.64,112.06 9117.77,112.06 9137.67,131.96 9170.28,131.96 9195.19,156.87 9204.74,156.87 9205.59,157.72 9236.15,157.72 9256.04,137.83 9392.54,137.83 9414.18,116.2 9439.57,116.2 9447.34,123.97 9512.78,123.97 9544.47,155.66 9606.69,155.66 9615.47,164.44 9782.4,164.44 9791.58,173.62 v1(9831.6,173.62)
  Bottom_Signal_Layer w6: v3(4758.68,190.16) 4763.81,185.02 4878.22,185.02 4925.5,137.75 4950.08,137.75 4954.84,142.51 4989.62,142.51 4991.53,140.6 4997.31,134.82 5001.28,130.85 5010.5,121.63 5010.5,120.9 5059.21,72.2 5436.22,72.2 5439.62,75.59 v1(5496.96,75.59)
  Bottom Layer w6: P3.10@3879.8,365.88 3881.42,365.88 3916.33,400.79 v1(3917.04,400.79)
JTAG_TGT_TCK: P1.4 P3.4 U2.A10 U8.22 | length 15344.8
  Top Layer w6: U2.A10@4925.71,318.11 4925.71,341.44 v3(4946.87,362.6) ; v1(5344.73,158.98) 5344.73,158.19 5362.69,140.23 5378.22,140.23 5381.98,143.99 5604.12,143.99 5641.61,106.5 6974.08,106.5 6994.47,126.89 v1(7021.31,126.89) ; v1(17677.06,345.18) U8.22@17701.16,345.18
  Top_Signal_Layer w6: v1(3795.33,484.84) 3899.95,484.84 3908.31,493.21 v1(3912.02,493.21) ; v1(4508.73,411.89) 4598.62,411.89 4643.25,367.27 4671.27,367.27 4716.26,412.26 4780.53,412.26 4793.41,425.14 4819.82,425.14 4832.7,412.26 4883.68,412.26 4932.95,363 4946.47,363 v3(4946.87,362.6) ; v1(7021.31,126.89) 7080.12,126.89 7095.25,111.76 7346.8,111.76 7401.52,57.05 7898.26,57.05 7913.6,72.39 8002.27,72.39 8010.9,63.76 8158.73,63.76 8168.72,73.75 8209.88,73.75 8218.51,82.39 8263.75,82.39 8297.02,115.65 8439.43,115.65 8472.72,82.36 8598.76,82.36 8622.72,106.32 8784.7,106.32 8802.77,88.25 9131.75,88.25 9151.65,108.15 9227.17,108.15 9227.28,108.04 9261.16,108.04 9267.14,114.02 9382.68,114.02 9404.31,92.39 9451.36,92.39 9459.13,100.16 9523.1,100.16 9554.8,131.85 9627.05,131.85 9635.83,140.63 11442.26,140.63 11454.17,152.54 11899.59,152.54 11937.8,114.32 15540.31,114.32 15546.25,108.38 15547.26,108.38 15556.22,99.43 15756.19,99.43 15765.37,108.61 15801.83,108.61 15838.24,145.02 16084.95,145.02 16101.61,128.36 16386.69,128.36 16405.42,147.09 16556.79,147.09 16557.77,146.11 17466.96,146.11 17472.82,140.25 17488.35,140.25 17518.51,170.42 17612.68,170.42 17658.3,216.03 17658.3,326.42 v1(17677.06,345.18)
  Bottom_Signal_Layer w6: v3(4946.87,362.6) 4957.15,372.88 4992.9,372.88 5041.21,324.57 5041.21,301.42 5064.63,278 5074.59,278 5084.08,268.51 5084.08,259.5 5091.29,252.29 5228.37,252.29 5249.85,273.76 5319.75,273.76 5348.87,244.65 5348.87,196.84 5344.73,192.7 v1(5344.73,158.98)
  Bottom Layer w6: P1.4@3784.52,108.24 3784.52,117.24 3762.58,139.18 3762.58,230.04 3774.27,241.72 4021.48,241.72 ; v1(3795.33,484.84) 3826.37,515.88 P3.4@3829.8,515.88 ; v1(3912.02,493.21) 3915.72,493.21 3924.09,484.84 3929.12,484.84 3975.23,438.73 3975.23,385.37 4021.48,339.12 4021.48,241.72 ; v1(4508.73,411.89) 4522.15,398.48 4522.15,378.54 4511.17,367.56 4461.33,367.56 4418.79,325.02 4418.79,312.98 4347.54,241.72 4021.48,241.72
JTAG_TGT_TDI: P1.6 P3.6 U2.A8 U8.28 | length 16144.9
  Top Layer w6: U2.A8@4886.34,318.11 4893.03,324.8 4893.03,343.13 v3(4902.17,352.27) ; v1@16558.75,130.54 16558.75,145.9 16635,222.15 17226.67,222.15 17249.53,245.01 17505.86,245.01 17563.17,187.7 17625.21,187.7 17663.85,226.33 17700.42,226.33 U8.28@17701.16,227.07
  Top_Signal_Layer w6: v1(4420.58,395.67) 4439.23,395.67 4512.11,322.79 4643.76,322.79 4649.71,328.74 4683.26,328.74 4709.15,354.64 4737.37,354.64 4743.24,348.77 4771.46,348.77 4775.88,353.2 4787.33,353.2 4793.68,346.85 4827.65,346.85 4835.97,338.54 4867.24,338.54 4880.24,351.53 4901.44,351.53 v3(4902.17,352.27)
  Bottom_Signal_Layer w6: v3(4902.17,352.27) 4934.69,384.79 4997.83,384.79 5054.84,327.78 5054.84,304.63 5069.56,289.91 5079.52,289.91 5105.23,264.19 5223.44,264.19 5244.92,285.67 5324.68,285.67 5370.46,239.89 v1(5370.46,158.98)
  Bottom Layer w6: P1.6@3835.98,68.87 3835.98,19.57 3831,14.59 3723.8,14.59 3707.2,31.19 3707.2,92.87 3666.45,133.62 3666.45,283.2 3686.14,302.89 3686.14,350.69 3695.25,359.81 3695.25,610.47 3732.87,648.09 3832.49,648.09 3850.81,629.78 3850.81,594.87 3879.8,565.88 3892.7,565.88 3940.51,613.69 3993.27,613.69 4069.29,537.67 4069.29,443.24 4060.86,434.8 4060.86,342.61 4137.93,265.54 4337.67,265.54 4394.74,322.6 4394.74,334.64 4420.58,360.49 v1(4420.58,395.67) ; v1(5370.46,158.98) 5399.89,188.41 5756.13,188.41 5795.97,148.58 6056.43,148.58 6159.82,251.97 6227.56,251.97 6275,204.53 7391.61,204.53 7417.57,178.58 7625.81,178.58 7653,151.39 7855.38,151.39 7861.82,157.82 8014.94,157.82 8091.12,234 8151.29,234 8208.07,290.78 8381.12,290.78 8442.72,229.18 8446,229.18 8495.77,179.41 8779.35,179.41 8797.82,197.87 8944.71,197.87 8955.55,208.71 9162.04,208.71 9166.37,213.04 9294.98,213.04 9354.42,153.6 9407.11,153.6 9435.41,181.9 9518.94,181.9 9534.24,197.2 9741.35,197.2 9767.23,223.08 9866.2,223.08 9907.26,182.01 11885.9,182.01 11961.18,257.3 12065.03,257.3 12122.7,199.63 14663.76,199.63 14721.42,257.29 15161.07,257.29 15177.43,240.92 15541.75,240.92 15570.63,269.81 15571.5,268.94 15731.56,268.94 15839.03,161.46 16071.92,161.46 16139.33,228.88 16205.39,228.88 16269.84,164.43 16388.27,164.43 16396.81,172.97 16516.32,172.97 v1@16558.75,130.54
  other v1: 16558.75,126.23
JTAG_TGT_TDO: P1.8 P3.8 U2.A9 U8.29 | length 16071.5
  Top Layer w6: v1(4347.33,162.01) 4347.33,195.91 4405.32,253.91 4405.32,292.09 4428.46,315.23 4428.46,342.76 4451.24,365.54 4451.24,409.41 4442.35,418.3 4442.35,443.7 4451.24,452.59 v1(4451.24,512.63) ; U2.A9@4906.25,318.11 U2.A9@4906.03,318.11 4906.99,319.07 4906.99,332.24 4910.78,336.03 v3(4910.78,337.07) ; v1(16617.22,126.23) 16617.22,144.26 16683.21,210.24 17231.6,210.24 17254.46,233.11 17489.82,233.11 17548.98,173.95 17631.2,173.95 17664.64,207.38 U8.29@17701.16,207.38
  Top_Signal_Layer w6: v1(3921.35,466.09) 3925.05,466.09 3932.74,473.78 3978.39,473.78 4150.98,646.37 4381.44,646.37 4450.8,577.01 v1@4450.8,512.63 ; v1@4450.8,503.69 4645.43,503.69 4749.1,607.37 4858.49,607.37 v1(4873.29,592.57)
  Bottom_Signal_Layer w6: v3(4910.78,337.07) 4930.62,337.07 4949.22,318.47 4967.35,318.47 4967.42,318.54 4989.3,318.54 5042.14,265.69 5042.14,250.51 5066.52,226.13 5257.65,226.13 5279.8,248.28 5311.56,248.28 5324.91,234.93 5324.91,212.63 5307.2,194.91 v1(5307.2,156.3)
  Bottom Layer w6: P3.8@3879.8,465.88 3921.13,465.88 v1(3921.35,466.09) ; P1.8@3887.16,94.92 3887.16,115.16 3904.74,132.74 4295.45,132.74 ; 4273.58,132.6 4317.92,132.6 v1(4347.33,162.01) ; v1(4873.29,592.57) 4897.9,567.96 4897.9,543.41 4914.69,526.62 4930.32,526.62 4941.3,515.64 4941.3,499.65 4938.5,496.85 4938.5,441.97 4917.69,421.16 4917.69,344.31 4910.78,337.4 v3(4910.78,337.07) ; v1(5307.2,156.3) 5351.21,200.31 5761.06,200.31 5800.9,160.48 6042.14,160.48 6145.54,263.87 6315.45,263.87 6362.89,216.44 7396.58,216.44 7414.51,198.5 7523.33,198.5 7542.87,218.04 7603.18,218.04 7657.93,163.29 7807.94,163.29 7818.76,174.11 7818.76,186.51 7830.76,198.5 8038.79,198.5 8086.19,245.91 8146.36,245.91 8203.14,302.69 8386.05,302.69 8447.65,241.09 8450.93,241.09 8500.7,191.31 8774.42,191.31 8825.87,242.76 9021.8,242.76 9031.06,252.02 9159.32,252.02 9182.81,228.52 9296.34,228.52 9359.35,165.5 9402.18,165.5 9430.48,193.8 9514.01,193.8 9529.31,209.1 9736.42,209.1 9762.3,234.98 11922.03,234.98 11956.25,269.2 12074.98,269.2 12132.65,211.53 13648.47,211.53 13692.42,255.48 14689.64,255.48 14703.35,269.19 15166,269.19 15179.71,255.48 15539.47,255.48 15581.01,297.02 15784.41,297.02 15908.07,173.37 16062.77,173.37 16130.19,240.79 16216.33,240.79 16280.79,176.33 16383.34,176.33 16391.88,184.87 16546.98,184.87 16605.63,126.23 v1(16617.22,126.23)
JTAG_TGT_TMS: P1.2 P3.2 U2.A11 U8.27 | length 15311.7
  Top Layer w6: U2.A11@4945.4,318.11 4944.44,319.07 4944.44,327.55 4944.27,327.71 4944.27,336.89 4965.7,358.32 4973.79,358.32 v3(4974.52,359.05) ; v1(9598.92,174.41) 9623.86,149.48 11462.6,149.48 11515.36,96.71 14777.49,96.71 14809.21,64.98 15087.23,64.98 15116.88,94.63 15459.26,94.63 15518.72,35.17 15752.49,35.17 15882.61,165.28 15923.02,165.28 16000.97,243.24 16112.04,243.24 16130.25,261.45 16226.76,261.45 16240.81,247.4 16254.97,247.4 16267.85,234.52 17222.2,234.52 17244.6,256.92 17510.79,256.92 17563.31,204.4 17618.56,204.4 17660.91,246.75 U8.27@17701.16,246.75
  Top_Signal_Layer w6: v1(3786.73,426.38) 3805.48,445.13 4007.8,445.13 v1(4008.28,444.65) ; v1(4499.72,386.3) 4571.18,386.3 4602.12,355.36 4676.2,355.36 4721.19,400.35 4785.46,400.35 4798.34,413.24 4814.89,413.24 4830.06,398.06 4876.73,398.06 4926.02,348.77 4964.24,348.77 v3(4974.52,359.05) ; v1@5431.21,90.94 5485.8,90.94 5495.2,100.35 5569.11,100.35 5574.98,106.22 5768.24,106.22 5787.88,125.86 6584.83,125.86 6585.57,126.6 6902.52,126.6 6950.75,174.83 7082.69,174.83 7110.04,147.48 7365.97,147.48 7407,106.45 7672.87,106.45 7684.78,118.35 7705.58,118.35 7727.42,96.51 7887.21,96.51 7898.81,108.11 8017.06,108.11 8025.69,99.48 8143.94,99.48 8153.93,109.47 8195.09,109.47 8203.72,118.1 8232.12,118.1 8265.39,151.37 8464.15,151.37 8471.85,143.67 8797.87,143.67 8809.5,132.04 8969.11,132.04 9005.85,168.78 9199.81,168.78 9200.66,169.63 9241.08,169.63 9241.93,168.78 9248.11,168.78 9267.14,149.74 9397.47,149.74 9419.11,128.1 9434.64,128.1 9442.41,135.87 9504.3,135.87 9542.84,174.41 v1(9598.92,174.41)
  Bottom_Signal_Layer w6: v3(4974.52,359.05) 4975.26,358.32 4975.26,351.4 5029.3,297.35 5029.3,295.37 5054.05,270.63 5054.05,259.19 5075.2,238.03 5235.88,238.03 5258.03,260.18 5316.5,260.18 5336.96,239.71 5336.96,207.84 5325.98,196.86 5325.98,151.21 5337.7,139.49 5348.72,139.49 5397.27,90.94 5424.13,90.94 v1@5427.67,94.49
  Bottom Layer w6: P1.2@3735.98,68.87 3735.98,93.74 3680.95,148.77 3680.95,280.86 3698.05,297.96 3698.05,339.9 3784.52,426.38 v1(3786.73,426.38) 3790.43,426.38 3800.93,415.88 P3.2@3829.8,415.88 ; v1(4008.28,444.65) 4008.28,378.35 4133,253.63 4342.61,253.63 4406.89,317.91 4406.89,329.95 4421.25,344.31 4432.49,355.56 4449.97,373.04 4464.33,387.4 4465.43,386.3 v1(4499.72,386.3)
  other v1: 5428.46,90.94
Led1_A: R15_A.1 U3_A.15 | length 2329.5
  Top Layer w6: U3_A.15@3074.75,179.14 3124.5,179.14 3163.03,140.61 v2(3180.04,140.61) ; v2(3327.28,76.77) 3355.58,76.77 3384.4,105.59 3679.89,105.59 3709.55,75.93 4386.62,75.93 4453.39,9.16 5027,9.16 5045.53,27.69 5045.53,49.9 5060.83,65.19 5242.76,65.19 5250.12,57.83 R15_A.1@5250.12,37.22
  Bottom Layer w6: v2(3180.04,140.61) 3263.45,140.61 v2(3327.28,76.77)
Led1_B: R15_B.1 U3_B.15 | length 2965.5
  Top Layer w6: U3_B.15@8074.9,229.25 8085.63,229.25 8104.81,248.43 8104.81,258.4 8111.36,264.96 8115.07,264.96 v1(8116.82,266.72) ; v1(9442.23,216.14) 9442.23,158.01 9522.09,78.15 9635.93,78.15 9636.12,77.97 10718.44,77.97 10759.01,37.4 R15_B.1@10795.97,37.4
  Bottom Layer w6: v1(8116.82,266.72) 8116.82,272.18 8159.23,314.59 8390.99,314.59 8452.59,252.99 8455.86,252.99 8505.63,203.22 8769.49,203.22 8821.08,254.81 9005.46,254.81 9014.57,263.92 9164.25,263.92 9187.74,240.42 9358.78,240.42 9384.19,215.02 9441.1,215.02 v1(9442.23,216.14)
Led1_C: R15_C.1 U3_C.15 | length 563.1
  Top Layer w6: v2(16163.47,197.24) 16196.94,197.24 U3_C.15@16198.68,195.5 ; v1@16513.47,130.54 v1(16513.47,126.23) 16513.47,104.63 16581.13,36.97 R15_C.1@16601.97,36.97
  Bottom Layer w6: v2(16163.47,197.24) 16220.1,140.61 16398.13,140.61 16406.67,149.16 16490.54,149.16 16509.16,130.54 v1@16513.47,130.54
Led2_A: R14_A.1 U3_A.1 | length 1362.5
  Top Layer w6: v2(2963.61,201.8) 2997.81,201.8 3004.73,194.88 U3_A.1@3019.63,194.88 ; v2(3278.61,71) 3303.46,71 3319.13,55.33 3350.98,55.33 3389.33,93.69 3674.96,93.69 3704.62,64.02 4148.07,64.02 4153.32,58.78 R14_A.1@4153.32,37.33
  Bottom Layer w6: v2(2963.61,201.8) 2998.29,201.8 3130.84,69.25 3276.86,69.25 v2(3278.61,71)
Led2_B: R14_B.1 U3_B.1 | length 2530.2
  Top Layer w6: U3_B.1@8013.88,245 8013.88,255.63 8023.97,265.72 8048.4,265.72 8094.54,311.86 v1(8453.93,311.86) ; v1(10046,37.4) R14_B.1@10088.8,37.4
  Top_Signal_Layer w6: v1(8387,61.19) 8387,60.47 8414.51,32.97 8616.72,32.97 8642.45,58.7 8764.98,58.7 8783.05,40.63 9151.48,40.63 9171.37,60.53 9207.44,60.53 9207.66,60.31 9224.98,60.31 9244.47,40.81 9323.67,40.81 9329.65,46.8 9365.72,46.8 9379.66,32.86 9476.02,32.86 9483.79,40.63 9553.86,40.63 9573.91,60.68 9818.71,60.68 9841.98,37.4 v1(10046,37.4)
  Bottom_Signal_Layer w6: v1(8387,61.19) 8387,80.07 8453.93,147 v1(8453.93,311.86)
Led2_C: R14_C.1 U3_C.1 | length 1377.8
  Top Layer w6: v2(15842.43,29) 15843.19,29.76 15883.89,29.76 R14_C.1@15891.09,36.97 ; v2(16041.03,113.39) 16131,113.39 16158,140.39 U3_C.1@16182.93,140.39 ; v1(16445.27,23.26) 16476.81,54.81 v1(16476.81,104.55)
  Top_Signal_Layer w6: v2(15842.43,29) 15854.41,29 15862.47,37.06 16118.98,37.06 16133.15,22.89 16149.5,22.89 16163.19,9.2 16256,9.2 16283.85,37.06 16300.19,37.06 16313.98,23.26 v1(16445.27,23.26) ; v2(16041.03,113.39) 16081.67,113.39 16091.91,103.14 16137.08,103.14 16140.47,99.76 16472.02,99.76 v1(16476.81,104.55)
Led3_A: R13_A.1 U3_A.2 | length 609.5
  Top Layer w6: v2(2944.61,179.15) U3_A.2@2984.2,179.14 ; R13_A.1@3426.23,37.61 v1(3426.23,64.96)
  Bottom Layer w6: v2(2944.61,179.15) 3062.42,61.35 3121.69,61.35 3122.06,60.98 3132.61,49.07 3410.34,49.07 v1(3426.23,64.96)
Led3_B: R13_B.1 U3_B.2 | length 1687
  Top Layer w6: U3_B.2@7978.44,229.25 7978.44,239.88 8016.19,277.62 8043.46,277.62 8095.89,330.05 8217.34,330.05 8217.9,330.61 8514.03,330.61 8620.48,224.16 8820.37,224.16 8827.03,217.5 v1(8840.26,217.5) ; R13_B.1@9391.02,38 9396.17,43.14 9393.8,45.5 v1(9393.8,184.25)
  Top_Signal_Layer w6: v1(8840.26,217.5) 9026.11,217.5 9031.06,212.55 9252.47,212.55 9256.69,216.78 9378.34,216.78 9393.8,201.32 v1(9393.8,184.25)
Led3_C: R13_C.1 U3_C.2 | length 1206
  Top Layer w6: v1(15139,35) 15179.51,35 R13_C.1@15181.88,37.36 ; v1(16170.95,27.95) 16170.95,85.84 16190.07,104.95 U3_C.2@16198.68,104.95 U3_C.2@16198.68,108.89
  Top_Signal_Layer w6: v1(15139,35) 15140.49,36.49 15350.2,36.49 15365.64,21.06 15762.01,21.06 15790.03,49.09 15846.59,49.09 15853.03,55.52 16117.36,55.52 16138.08,34.8 16160.41,34.8 16167.25,27.95 v1(16170.95,27.95)
Led4_A: R12_A.1 U3_A.3 | length 302.9
  Top Layer w6: R12_A.1@2734.03,37.4 2778.63,82 v1(2806.95,82) ; v2(2921.61,162) 2924.21,159.4 U3_A.3@2984.2,159.45 U3_A.3@2984.2,159.45
  Bottom Layer w6: v1(2806.95,82) 2826.1,82 2906.1,162 v2(2921.61,162)
Led4_B: R12_B.1 U3_B.3 | length 896.4
  Top Layer w6: v1(7869,178.35) 7902.86,178.35 7934.08,209.57 U3_B.3@7978.44,209.57 ; v1(8224.12,179.53) 8224.12,156.24 8231.64,148.72 8231.64,118.18 8252.41,97.41 8275.54,97.41 8314.05,58.91 8362.77,58.91 8386.78,34.89 8528.79,34.89 R12_B.1@8530.95,37.05
  Top_Signal_Layer w6: v1(7869,178.35) 7896.36,178.35 7918.97,155.73 8022.12,155.73 8039.08,172.69 8164.86,172.69 8165.55,172 8189.22,172 8196.75,179.53 v1(8224.12,179.53)
Led4_C: R12_C.1 U3_C.3 | length 1937.9
  Top Layer w6: R12_C.1@14469.17,37.4 14469.17,58.66 14474.54,64.02 14768.87,64.02 14791.73,41.17 15097.1,41.17 15126.75,70.82 15443.77,70.82 15503.23,11.36 15762.36,11.36 15815.02,64.02 16093.34,64.02 16148.16,9.2 16181.83,9.2 16200.44,27.81 16200.44,67.39 16217.19,84.14 16217.19,103.78 U3_C.3@16218.36,104.95
Led5_A: R11_A.1 U3_A.4 | length 857.6
  Top Layer w6: R11_A.1@2178.39,143.85 2191.44,130.81 2376.28,130.81 2427.82,79.27 2705.95,79.27 2766.4,139.72 2940.97,139.72 2941.02,139.76 U3_A.4@2984.2,139.76